# Altium PCB base-32-bit_v1.PcbDoc (part 1 of 3) (continued)
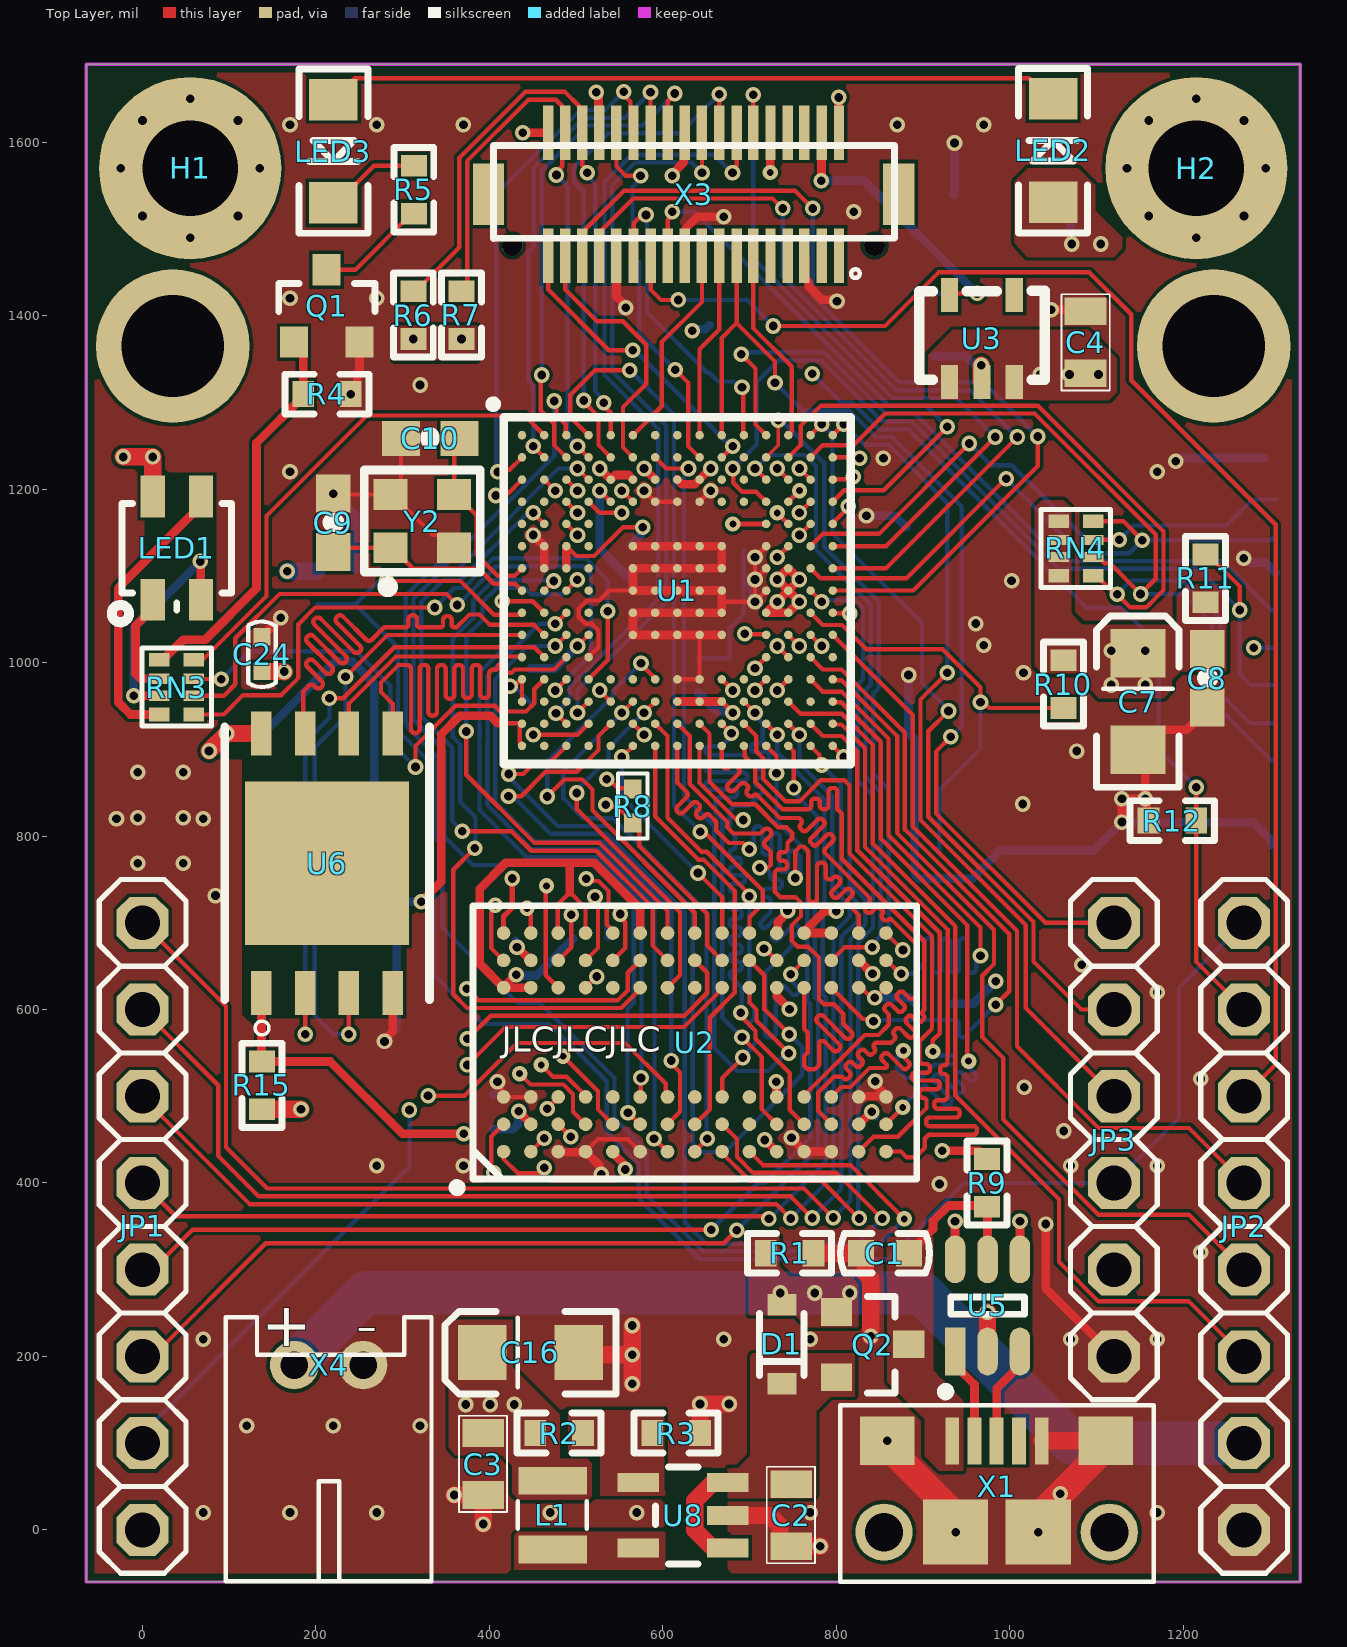
[diagram p0: Top Layer view]
## Components (designator, comment, footprint, x,y, rotation, side; value= is the part's Value field where it differs from the comment)
C1 "0.1UF" C0603 828.52,319 r0 top locked
C2 "22uF" 0805 747.76,16.69 r90 top locked
C3 "22uF" 0805 392.76,75.69 r90 top locked
C4 "1uF" 0805 1087.23,1369.64 r270 top locked
C5 "1uF" 0805 912.26,1388.69 r90 bottom locked
C6 "47uF" EIA3216 990.76,1538.69 r0 bottom locked
C7 "47uF" EIA3216 1147.76,954.69 r90 top locked
C8 "0.1uF" 0603-CAP 1227.76,982.23 r270 top locked
C9 "12pF" 0603-CAP 219.87,1161.39 r270 top locked
C10 "12pF" 0603-CAP 331.46,1258.49 r0 top locked
C11 "2.2uF" C0402 713.23,1128.64 r180 bottom locked
C12 "2.2uF" C0402 676.23,985.64 r90 bottom locked
C13 "1uF" C0402 294.21,704.38 r270 bottom locked
C14 "0.1uF" C0402 252.21,704.38 r270 bottom locked
C15 "1uF" C0402 244.37,1086.89 r90 bottom locked
C16 "47uF" EIA3216 447.73,204.64 r180 top locked
C17 "0.1uF" C0402 579.23,1211.64 r270 bottom locked
C18 "0.1uF" C0402 528.23,1211.64 r270 bottom locked
C19 "0.1uF" C0402 639.73,985.14 r90 bottom locked
C20 "0.1uF" C0402 713.23,1091.64 r180 bottom locked
C21 "0.1uF" C0402 713.23,1055.14 r180 bottom locked
C22 "0.1uF" C0402 448.73,973.14 r270 bottom locked
C23 "0.1uF" C0402 655.73,1209.14 r270 bottom locked
C24 "0.1uF" C0402 138.76,1009.69 r90 top locked
C25 "0.1uF" C0402 563.73,1115.64 r270 bottom
C26 "0.1uF" C0402 403.73,482.14 r90 bottom locked
C27 "0.1uF" C0402 912.23,607.64 r0 bottom locked
C28 "0.1uF" C0402 843.73,497.14 r90 bottom
C29 "0.1uF" C0402 516.73,682.64 r0 bottom locked
C30 "0.1uF" C0402 429.23,659.14 r90 bottom
D1 "BAT60BE6327" SOD-323 737.26,213.69 r90 top locked
H1 "MOUNT-PAD-ROUND2.8" 2,8-PAD 55,1570 r90 top locked
H2 "MOUNT-PAD-ROUND2.8" 2,8-PAD 1215,1570 r270 top locked
JP1 "PINHD-1X8" 1X08 0,350 r270 top locked
JP2 "PINHD-1X8" 1X08 1270,350 r270 top locked
JP3 "PINHD-1X6" 1X06 1120,450 r270 top locked
L1 "4.7uH/1.4A" 1007 472.76,17.32 r180 top locked
L2 "MPZ1608S181ATAH0" 0603 282.21,805.88 r90 bottom locked
LED1 "LED-TRICOLOR" LED-TRICOLOR-SMD 39.5,1131.5 r180 top locked
LED2 "VSMY12850" LED-1206 1050,1590 r90 top locked
LED3 "VSMY12850" LED-1206 220,1590 r270 top locked
Q1 "BSS138" SOT23-3 212.16,1408.86 r0 top locked
Q2 "Si2301BDS" SOT23-3 839.52,214 r270 top locked
R1 "10K" R0603 773.52,319 r180 top locked
R2 "453K" R0603 507.76,111.69 r180 top locked
R3 "100K" R0603 642.76,111.69 r180 top locked
R4 "10K" R0603 240.16,1309.49 r180 top locked
R5 "10R" R0603 312.76,1517.69 r90 top locked
R6 "4.7K" R0603 312.23,1373.14 r90 top locked
R7 "4.7K" R0603 367.73,1373.14 r90 top locked
R8 "10K" R0402 565.23,854.14 r270 top locked
R9 "560R" R0603 973.73,427.64 r270 top locked
R10 "10K" R0603 1061.76,1002.69 r270 top locked
R11 "10K" R0603 1225.76,1069.69 r90 top locked
R12 "10K" R0603 1159.76,817.69 r0 top locked
R13 "10K" R0402 201.23,1067.14 r90 bottom locked
R14 "10K" R0603 653.73,1334.14 r90 bottom locked
R15 "10K" R0603 137.73,540.14 r270 top locked
RN3 "220R" RCA-8P4R-0402 39.23,971.64 r90 top locked
RN4 "220R" RCA-8P4R-0402 1076.23,1131.64 r270 top locked
U1 "STM32H743IIK6" UFBGA-201_L10.0-W10.0-P0.65-TL_STM32H743IIK6 605.79,1083.93 r0 top locked
U2 "IS42S32800" BGA-90-8000X13000DE 416.3,436.22 r90 top locked
U3 "ME6211C33M5G-N" SOT-23-5 930.46,1323.69 r0 top locked
U5 "USBLC6-2SC6" SOT-23-6 936.86,205.69 r0 top locked
U6 "W25Q256JV" WSON-8_L8.0-W6.10-P1.27-BL-EP 212.76,768.68 r0 top locked
U8 "PAM2305AABADJ" TSOT25 674.76,-20.71 r90 top locked
X1 "MF-CON-MICROUSB-RIGHT" MICROUSB-RIGHT 984.74,52.69 r0 top locked
X2 "USD-1040310811" 1040310811 1316.58,1245.61 r270 bottom
X3 "DF12-36-DS" DF12-36-DS 635,1540 r0 top locked
X4 "S2B-PH-K-S(LF)(SN)" JST-PH-2-THM-RA 215,190 r180 top locked
Y2 "12M" OSC-SMD_4P-L2.5-W2.0-BL 322.63,1163.08 r0 top locked

## Footprints (in the part's own frame and the unit in brackets; to place one, negate y for a bottom-side part, rotate by r counter-clockwise, add the part's x,y. Pads: shape width x height; smd on the part's side, far side on the other; paste and mask are expansions set on the pad)
1X06 [mil] "1X06"
  oct 60x60 hole 40: 1(-250,0) 2(-150,0) 3(-50,0) 4(50,0) 5(150,0) 6(250,0)
  silkscreen extent -300,-50 300,50
1X08 [mil] "1X08"
  oct 60x60 hole 40: 1(-350,0) 2(-250,0) 3(-150,0) 4(-50,0) 5(50,0) 6(150,0) 7(250,0) 8(350,0)
  silkscreen extent -400,-50 400,50
2,8-PAD [mil] "2,8-PAD"
  round 210 / inner round 60 / far side round 210 hole 110.24: B2,8(0,0)
0603 [mil] "0603"
  rect 40x40 smd: 1(-31.5,0) 2(32,0)
  silkscreen extent -59,-28 60,28, body extent -31,-17 32,16, height 32
0603-CAP [mil] "0603-CAP"
  rect 44x40 smd: 1(-33.46,0) 2(34,0)
  silkscreen extent 0,-1 0,2, body extent -31,-17 32,16, height 32
0805 [mil] "0805"
  rect 32x48 smd: 1(-35.43,0) 2(36,0)
  silkscreen extent -55,-28 56,28, body extent -39,-24 39,24, height 20
1007 [mil] "1007"
  rect 79x32 smd: 1(0,40) 2(0,-39.37)
  silkscreen extent -39,-16 40,16, body extent -36,-50 35,48, height 70
1040310811 [mm]
  rect 1.2x1 smd: CD$1(11.74,10.1) CD$2(11.74,6.4)
  rect 1.55x1.35 smd: G$1(11.565,0.375)
  rect 1.17x1.8 smd: G$2(0.245,0.6)
  rect 1.9x1.35 smd: G$3(2.27,11.075) G$4(8.24,11.075)
  rect 0.85x1.1 smd: P$1(9.105,0.25) P$2(8.005,0.25) P$3(6.905,0.25) P$4(5.805,0.25) P$5(4.705,0.25) P$6(3.605,0.25) P$7(2.505,0.25)
  rect 0.75x1.1 smd: P$8(1.455,0.25)
  silkscreen extent 0,0 12,11.4, body extent 0.01,0.21 11.96,11.61, height 1.48
BGA-90-8000X13000DE [mil]
  round 15.75 smd: A1(0,0) A2(31.5,0) A3(62.99,0) A7(188.98,0) A8(220.47,0) A9(251.97,0) B1(0,-31.5) B2(31.5,-31.5) B3(62.99,-31.5) B7(188.98,-31.5) B8(220.47,-31.5) B9(251.97,-31.5) C1(0,-62.99) C2(31.5,-62.99) C3(62.99,-62.99) C7(188.98,-62.99) C8(220.47,-62.99) C9(251.97,-62.99) D1(0,-94.49) D2(31.5,-94.49) D3(62.99,-94.49) D7(188.98,-94.49) D8(220.47,-94.49) D9(251.97,-94.49) E1(0,-125.98) E2(31.5,-125.98) E3(62.99,-125.98) E7(188.98,-125.98) E8(220.47,-125.98) E9(251.97,-125.98) F1(0,-157.48) F2(31.5,-157.48) F3(62.99,-157.48) F7(188.98,-157.48) F8(220.47,-157.48) F9(251.97,-157.48) G1(0,-188.98) G2(31.5,-188.98) G3(62.99,-188.98) G7(188.98,-188.98) G8(220.47,-188.98) G9(251.97,-188.98) H1(0,-220.47) H2(31.5,-220.47) H3(62.99,-220.47) H7(188.98,-220.47) H8(220.47,-220.47) H9(251.97,-220.47) J1(0,-251.97) J2(31.5,-251.97) J3(62.99,-251.97) J7(188.98,-251.97) J8(220.47,-251.97) J9(251.97,-251.97) K1(0,-283.46) K2(31.5,-283.46) K3(62.99,-283.46) K7(188.98,-283.46) K8(220.47,-283.46) K9(251.97,-283.46) L1(0,-314.96) L2(31.5,-314.96) L3(62.99,-314.96) L7(188.98,-314.96) L8(220.47,-314.96) L9(251.97,-314.96) M1(0,-346.46) M2(31.5,-346.46) M3(62.99,-346.46) M7(188.98,-346.46) M8(220.47,-346.46) M9(251.97,-346.46) N1(0,-377.95) N2(31.5,-377.95) N3(62.99,-377.95) N7(188.98,-377.95) N8(220.47,-377.95) N9(251.97,-377.95) P1(0,-409.45) P2(31.5,-409.45) P3(62.99,-409.45) P7(188.98,-409.45) P8(220.47,-409.45) P9(251.97,-409.45) R1(0,-440.94) R2(31.5,-440.94) R3(62.99,-440.94) R7(188.98,-440.94) R8(220.47,-440.94) R9(251.97,-440.94)
  silkscreen extent -46,-476 283,58, body extent -31,-476 284,36, height 43
C0402 [mil]
  rect 20x20 smd: 1(-20,1) 2(20,1)
  silkscreen extent -38,-15 38,17, body extent -20,-9 20,11, height 21
C0603 [mil]
  rect 29.92x30 smd: 1(0,0) 2(55,0)
  silkscreen extent -24,-23 79,23, body extent -3,-16 60,16, height 32
DF12-36-DS [mil] "DF12-36-DS"
  round 24 hole 24: 1(-208.66,-59.06) 1(209,-59.06)
  rect 12x63 smd: 1(168,-70.87) 2(168,71) 3(148,-70.87) 4(148,71) 5(128,-70.87) 6(128,71) 7(109,-70.87) 8(109,71) 9(89,-70.87) 10(89,71) 11(69,-70.87) 12(69,71) 13(50,-70.87) 14(50,71) 15(30,-70.87) 16(30,71) 17(10,-70.87) 18(10,71) 19(-9.84,-70.87) 20(-9.84,71) 21(-29.53,-70.87) 22(-29.53,71) 23(-49.21,-70.87) 24(-49.21,71) 25(-68.9,-70.87) 26(-68.9,71) 27(-88.58,-70.87) 28(-88.58,71) 29(-108.27,-70.87) 30(-108.27,71) 31(-127.95,-70.87) 32(-127.95,71) 33(-147.64,-70.87) 34(-147.64,71) 35(-167.32,-70.87) 36(-167.32,71)
  rect 36x71 smd: F1(237,0) F2(-236.22,0)
  silkscreen extent -230,-96 232,56, body extent -238,-91 238,90, height 106
EIA3216 [mil] "EIA3216"
  rect 56x63 smd: A(56,0) C(-55.12,0)
  silkscreen extent -98,-47 99,48, body extent -68,-36 66,35, height 71
JST-PH-2-THM-RA [mil] "JST-PH-2-THM-RA"
  round 56 hole 32: 1(40,0) 2(-39.37,0)
  silkscreen extent -118,-55 119,249, body extent -116,-46 116,253, height 193
LED-1206 [mil] "LED-1206"
  rect 48x56 smd: A(-59.06,0) C(60,0)
  silkscreen extent -94,-39 95,40, body extent -62,-32 64,32, height 40
LED-TRICOLOR-SMD [mil] "LED-TRICOLOR-SMD"
  rect 28x48 smd: A(27.56,-60) B(-28,-60) G(-28,59.06) R(27.56,59.06)
  silkscreen extent -63,-52 75,85, body extent -55,-70 55,67, height 75
MICROUSB-RIGHT [mil] "MICROUSB-RIGHT"
  rect 16x54 smd: 1(-51.18,50) 2(-25.59,50) 3(0,50) 4(26,50) 5(52,50)
  rect 63x56 smd: S(-125.98,50) S(126,50)
  rect 75x75 smd: S(-47.24,-55.31) S(48,-55.31)
  round 66 hole 44: S1(-129.92,-55.31) S2(130,-55.31)
  silkscreen extent -180,-112 181,91, body extent -159,-157 159,62, height 107
OSC-SMD_4P-L2.5-W2.0-BL [mm]
  rect 1x0.9 smd: 1(-0.93,-0.78) 2(0.93,-0.78) 3(0.93,0.78) 4(-0.93,0.78)
  silkscreen extent -1.7,-2.08 1.7,1.5, body extent -1.22,-1.03 1.28,0.97, height 0.55
R0402 [mil]
  rect 22x20 smd: 1(0,0) 2(39,0)
  silkscreen extent -18,-17 57,17, body extent 0,-10 40,10, height 12
R0603 [mil]
  rect 25x30 smd: 1(0,0) 2(55,0)
  silkscreen extent -21,-23 76,23, body extent -3,-16 60,16, height 16
RCA-8P4R-0402 [mm] "2mm*1mm*0.45mm(长*宽*厚)"
  rect 0.4x0.6 smd: 1(-0.8,-0.5) 4(0.8,-0.5) 5(0.8,0.5) 8(-0.8,0.5)
  rect 0.3x0.6 smd: 2(-0.25,-0.5) 3(0.25,-0.5) 6(0.25,0.5) 7(-0.25,0.5)
  silkscreen extent -1.14,-1.02 1.15,1.01, body extent -1,-0.5 1,0.5, height 0.45
SOD-323 [mil] "SOD-323"
  rect 25x33 smd: 1(-45.28,0) 2(46,0)
  silkscreen extent -35,-26 36,26, body extent -53,-26 53,27, height 31
SOT23-3 [mil] "SOT23-3"
  rect 32x36 smd: 1(-37.4,-39.37) 2(38,-39.37) 3(0,44)
  silkscreen extent -55,-4 56,28, body extent -57,-48 58,50, height 40
SOT-23-5 [mm]
  rect 0.508x1 smd: 1(0,0) 2(0.95,0) 3(1.9,0) 4(1.9,2.54) 5(0,2.54)
  silkscreen extent -0.89,0.06 2.79,2.67, body extent -0.5,-0.12 2.4,2.68, height 1.45
SOT-23-6 [mm]
  rect 0.6x1.4 smd: 1(0,0)
  oval 0.6x1.4 smd: 2(0.95,0) 3(1.9,0) 4(1.9,2.7) 5(0.95,2.7) 6(0,2.7)
  silkscreen extent -0.4,-1.3 2.03,1.6, body extent -0.46,0.14 2.34,2.57, height 1.07
TSOT25 [mil] "TSOT25"
  rect 22x48 smd: 1(0,0) 2(37.4,0) 3(75.4,0) 4(75.4,103.18) 5(0,103.18)
  silkscreen extent -19,34 93,83, body extent -20,1 94,111, height 37
UFBGA-201_L10.0-W10.0-P0.65-TL_STM32H743IIK6 [mm]
  round 0.25 smd: A1(-4.274,4.528) A2(-3.624,4.528) A3(-2.974,4.528) A4(-2.324,4.528) A5(-1.674,4.528) A6(-1.024,4.528) A7(-0.374,4.528) A8(0.276,4.528) A9(0.926,4.528) A10(1.576,4.528) A11(2.226,4.528) A12(2.876,4.528) A13(3.526,4.528) A14(4.176,4.528) A15(4.826,4.528) B1(-4.274,3.878) B2(-3.624,3.878) B3(-2.974,3.878) B4(-2.324,3.878) B5(-1.674,3.878) B6(-1.024,3.878) B7(-0.374,3.878) B8(0.276,3.878) B9(0.926,3.878) B10(1.576,3.878) B11(2.226,3.878) B12(2.876,3.878) B13(3.526,3.878) B14(4.176,3.878) B15(4.826,3.878) C1(-4.274,3.228) C2(-3.624,3.228) C3(-2.974,3.228) C4(-2.324,3.228) C5(-1.674,3.228) C6(-1.024,3.228) C7(-0.374,3.228) C8(0.276,3.228) C9(0.926,3.228) C10(1.576,3.228) C11(2.226,3.228) C12(2.876,3.228) C13(3.526,3.228) C14(4.176,3.228) C15(4.826,3.228) D1(-4.274,2.578) D2(-3.624,2.578) D3(-2.974,2.578) D4(-2.324,2.578) D5(-1.674,2.578) D6(-1.024,2.578) D7(-0.374,2.578) D8(0.276,2.578) D9(0.926,2.578) D10(1.576,2.578) D11(2.226,2.578) D12(2.876,2.578) D13(3.526,2.578) D14(4.176,2.578) D15(4.826,2.578) E1(-4.274,1.928) E2(-3.624,1.928) E3(-2.974,1.928) E4(-2.324,1.928) E12(2.876,1.928) E13(3.526,1.928) E14(4.176,1.928) E15(4.826,1.928) F1(-4.274,1.278) F2(-3.624,1.278) F3(-2.974,1.278) F4(-2.324,1.278) F6(-1.024,1.278) F7(-0.374,1.278) F8(0.276,1.278) F9(0.926,1.278) F10(1.576,1.278) F12(2.876,1.278) F13(3.526,1.278) F14(4.176,1.278) F15(4.826,1.278) G1(-4.274,0.628) G2(-3.624,0.628) G3(-2.974,0.628) G4(-2.324,0.628) G6(-1.024,0.628) G7(-0.374,0.628) G8(0.276,0.628) G9(0.926,0.628) G10(1.576,0.628) G12(2.876,0.628) G13(3.526,0.628) G14(4.176,0.628) G15(4.826,0.628) H1(-4.274,-0.022) H2(-3.624,-0.022) H3(-2.974,-0.022) H4(-2.324,-0.022) H6(-1.024,-0.022) H7(-0.374,-0.022) H8(0.276,-0.022) H9(0.926,-0.022) H10(1.576,-0.022) H12(2.876,-0.022) H13(3.526,-0.022) H14(4.176,-0.022) H15(4.826,-0.022) J1(-4.274,-0.672) J2(-3.624,-0.672) J3(-2.974,-0.672) J4(-2.324,-0.672) J6(-1.024,-0.672) J7(-0.374,-0.672) J8(0.276,-0.672) J9(0.926,-0.672) J10(1.576,-0.672) J12(2.876,-0.672) J13(3.526,-0.672) J14(4.176,-0.672) J15(4.826,-0.672) K1(-4.274,-1.322) K2(-3.624,-1.322) K3(-2.974,-1.322) K4(-2.324,-1.322) K6(-1.024,-1.322) K7(-0.374,-1.322) K8(0.276,-1.322) K9(0.926,-1.322) K10(1.576,-1.322) K12(2.876,-1.322) K13(3.526,-1.322) K14(4.176,-1.322) K15(4.826,-1.322) L1(-4.274,-1.972) L2(-3.624,-1.972) L3(-2.974,-1.972) L4(-2.324,-1.972) L12(2.876,-1.972) L13(3.526,-1.972) L14(4.176,-1.972) L15(4.826,-1.972) M1(-4.274,-2.622) M2(-3.624,-2.622) M3(-2.974,-2.622) M4(-2.324,-2.622) M5(-1.674,-2.622) M6(-1.024,-2.622) M7(-0.374,-2.622) M8(0.276,-2.622) M9(0.926,-2.622) M10(1.576,-2.622) M11(2.226,-2.622) M12(2.876,-2.622) M13(3.526,-2.622) M14(4.176,-2.622) M15(4.826,-2.622) N1(-4.274,-3.272) N2(-3.624,-3.272) N3(-2.974,-3.272) N4(-2.324,-3.272) N5(-1.674,-3.272) N6(-1.024,-3.272) N7(-0.374,-3.272) N8(0.276,-3.272) N9(0.926,-3.272) N10(1.576,-3.272) N11(2.226,-3.272) N12(2.876,-3.272) N13(3.526,-3.272) N14(4.176,-3.272) N15(4.826,-3.272) P1(-4.274,-3.922) P2(-3.624,-3.922) P3(-2.974,-3.922) P4(-2.324,-3.922) P5(-1.674,-3.922) P6(-1.024,-3.922) P7(-0.374,-3.922) P8(0.276,-3.922) P9(0.926,-3.922) P10(1.576,-3.922) P11(2.226,-3.922) P12(2.876,-3.922) P13(3.526,-3.922) P14(4.176,-3.922) P15(4.826,-3.922) R1(-4.274,-4.572) R2(-3.624,-4.572) R3(-2.974,-4.572) R4(-2.324,-4.572) R5(-1.674,-4.572) R6(-1.024,-4.572) R7(-0.374,-4.572) R8(0.276,-4.572) R9(0.926,-4.572) R10(1.576,-4.572) R11(2.226,-4.572) R12(2.876,-4.572) R13(3.526,-4.572) R14(4.176,-4.572) R15(4.826,-4.572)
  silkscreen extent -5.22,-5.1 5.36,5.54, body extent -4.75,-5 5.25,5, height 0.67
WSON-8_L8.0-W6.10-P1.27-BL-EP [mm]
  rect 4.8x4.8 smd: 0(0,0)
  rect 0.6x1.3 smd: 1(-1.92,-3.8) 2(-0.64,-3.8) 3(0.64,-3.8) 4(1.92,-3.8) 5(1.92,3.8) 6(0.64,3.8) 7(-0.64,3.8) 8(-1.92,3.8)
  silkscreen extent -3,-5.03 3,4, body extent -3,-3.99 3,4.01, height 0.81

## Part data
C1 C2 C3 C4 C5: library part CAP0805, "CapacitorStandard 0603 ceramic capacitor, and 0.1\" leaded capacitor."
C6 C7 C16: library part CAP_POL1206, "Capacitor PolarizedThese are standard SMD and PTH capacitors. Normally 10uF, 47uF, and 100uF in electrolytic and tantalum varieties. Always verify the external diameter of the through hole cap, it varies with capacity, voltage, and manufacturer. The EIA devices should be standard."
C8 C9 C10 C11 C12: library part CAP0603-CAP, "CapacitorStandard 0603 ceramic capacitor, and 0.1\" leaded capacitor."
C13 C14 C15 C17 C18 C19 C20 C21 C22 C23 C24 C25 C26 C27 C28 C29 C30: library part CAP0402-CAP, "CapacitorStandard 0603 ceramic capacitor, and 0.1\" leaded capacitor."
D1: library part DIODESOD, "DiodeThese are standard reverse protection diodes and small signal diodes. SMA package can handle up to about 1A. SOD-323 can handle about 200mA. What the SOD-323 package when ordering, there are some mfgs out there that are 5-pin packages."
H1 H2: "MOUNTING PAD, round"
JP1 JP2 JP3: "PIN HEADER"
L1: library part INDUCTOR1007, "InductorsBasic Inductor/Choke - 0603 and 1206. Footprints are not proven and vary greatly between part numbers."
L2: library part INDUCTOR0603, "InductorsBasic Inductor/Choke - 0603 and 1206. Footprints are not proven and vary greatly between part numbers."
LED1: "Tri-Color LED SMDProven layout and schematic for triple color LED in SMD package - common anode. Spark Fun Electronics SKU : COM-07844"
LED2 LED3: library part LED1206, "LEDsStandard schematic elements and footprints for 5mm, 3mm, 1206, and 0603 sized LEDs. 5mm - Spark Fun Electronics SKU : COM-00529 (and others)"
Q1: library part MOSFET-NCHANNELSMD
Q2: library part MOSFET-PCHANNELSMD
R1 R2 R3 R4 R5 R6 R7 R9 R10 R11 R12 R13 R14: library part RESISTOR0603-RES, "ResistorBasic schematic elements and footprints for 0603, 1206, and PTH resistors."
R8 R15: library part RESISTOR0402-RES, "ResistorBasic schematic elements and footprints for 0603, 1206, and PTH resistors."
RN3 RN4: library part 排阻_4P
U1: BOM_Manufacturer=STMicroelectronics, BOM_Manufacturer Part=STM32H743IIK6, BOM_Supplier=LCSC, BOM_Supplier Part=C129442, Contributor=LCSC, spicePre=U, spiceSymbolName=STM32H743IIK6, subpart_no=2
U3: BOM_LCSC Assembly=Yes, BOM_Manufacturer=MICRONE, BOM_Manufacturer Part=ME6211C33M5G-N, BOM_Supplier=LCSC, BOM_Supplier Part=C82942, image=//image.lceda.cn/szlcsc/C82942.jpg, SMT Type=Extend, spicePre=L, spiceSymbolName=ME6211C33M5G-N
U5: BOM_LCSC Assembly=Yes, BOM_Manufacturer=STMicroelectronics, BOM_Manufacturer Part=USBLC6-2SC6, BOM_Supplier=LCSC, BOM_Supplier Part=C7519, image=//image.lceda.cn/szlcsc/C7519.jpg, SMT Type=Extend, spicePre=D, spiceSymbolName=USBLC6-2SC6
U6: library part W25Q128JVSQ
U8: library part PAM2305AAB330
X1: library part USB_MICRO_RIGHT, "Library:  MF_Connectors Description: 5 Pin USB Connectors. SLD is the shield connection. Usually tied to ground through a small ferrite bead."
X4: library part JST_2PIN-THM-RA, "JST 2-Pin Connectors of various flavors SMT-RA (S2B-PH-SM4) 4UConnector #17311  SMT  (B2B-PH-SM4)  THM-RA (S2B-PH)  THM  (B2B-PH)"
Y2: library part XTAL-NV-4

## Free pads (board coordinates)
  round 177.17 / inner round 60 / far side round 177.17 hole 118.11: P$1(35,1365) P$1(1235,1365)

## Via types
v1: diameter 18, hole 10, Top Layer to Bottom Layer, tented both sides, 295 vias
v2: diameter 18, hole 10, Top Layer to Bottom Layer, 36 vias
v3: diameter 18/18/18/18 (per signal layer), hole 10, Top Layer to Bottom Layer, tented both sides, 16 vias
v4: diameter 17.72, hole 8, Top Layer to Bottom Layer, tented both sides, 14 vias

## Nets (pads, with @x,y where several pads share a name; then routed paths per layer and width w, separated by ;. In a path a pad name is that pad's centre, name@x,y a point inside that pad or via, vN(x,y) a via of type N, cw(c..) or ccw(c..) an arc to the next point about the centre after c; other vN are vias at no path point)
BOOT0: JP2.2 R12.2 U1.D6 | length 1300.5
  Top Layer w5: v1(552.68,1198.23) U1.D6@565.47,1185.43 ; v1(1214.76,856.17) R12.2@1214.76,817.69 1214.76,655.24 JP2.2@1270,600
  PWR w5: v1(552.68,1198.23) 552.68,1220.15 670.67,1338.14 763.71,1338.14 768.71,1333.14 v1(772.23,1333.14)
  Bottom Layer w5: v1(772.23,1333.14) 805.87,1299.5 818.73,1299.5 849.09,1269.14 882.98,1269.14 1088.98,1063.14 1128.65,1063.14 1171.73,1020.06 1171.73,899.2 v1(1214.76,856.17)
DAC: JP1.7 U1.P4 | length 1072.5
  Top Layer w5: v1(450.32,916.73) 501.5,916.73 U1.P4@514.29,929.52
  PWR w5: v1(307.73,484.14) 307.73,583.23 360,635.5 360,732.29 437.69,809.98 437.69,904.1 v1(450.32,916.73)
  Bottom Layer w5: JP1.7@0,100 0,111.46 307.73,419.19 v1(307.73,484.14)
DCMI_CLK: U1.F15 X3.12 | length 836.4
  Top Layer w5: X3.12@704,1611 704.11,1611.11 704.11,1654.52 v1(704.23,1654.64) ; U1.F15@795.79,1134.25 857.34,1134.25 v1(983.23,1260.14)
  Bottom Layer w5: v1(704.23,1654.64) 704.23,1465.76 864.85,1305.14 938.23,1305.14 v1(983.23,1260.14)
DCMI_D0: U1.H15 X3.31 | length 1078.5
  Top Layer w5: X3.31@507.05,1469.13 507.05,1494.63 510.5,1498.08 510.5,1499.59 555.05,1544.14 752.23,1544.14 v1(772.73,1523.64) ; U1.H15@795.79,1083.07 888.58,1083.07 1032.23,1226.72 v1(1032.23,1260.64)
  Bottom Layer w5: v1(772.73,1523.64) 772.73,1422.72 872.31,1323.14 969.73,1323.14 v1(1032.23,1260.64)
DCMI_D1: U1.G15 X3.29 | length 961.1
  Top Layer w5: X3.29@526.73,1469.13 526.73,1496.14 565.73,1535.14 726.39,1535.14 737.89,1523.64 v1(738.23,1523.64) ; U1.G15@795.79,1108.66 857.25,1108.66 v1(1008.73,1260.14)
  Bottom Layer w5: v1(738.23,1523.64) 738.23,1444.49 868.58,1314.14 953.92,1314.14 1007.92,1260.14 v1(1008.73,1260.14)
DCMI_D2: U1.B10 X3.35 | length 344.9
  Top Layer w5: X3.35@467.68,1469.13 467.68,1430.13 537.67,1360.14 v1(565.23,1360.14) ; U1.B10@667.84,1236.61 v1(680.64,1249.41)
  Bottom Layer w5: v1(565.23,1360.14) 567.57,1360.14 678.3,1249.41 v1(680.64,1249.41)
DCMI_D3: U1.B9 X3.28 | length 431.7
  Top Layer w5: X3.28@546.42,1611 546.42,1572 557.28,1561.14 v1(574.23,1561.14) ; v1(614.23,1337.64) 629.02,1322.84 629.02,1249.85 U1.B9@642.25,1236.61
  Bottom Layer w5: v1(574.23,1561.14) 574.23,1557.62 564.99,1548.38 564.99,1469.39 572.73,1461.65 572.73,1379.14 v1(614.23,1337.64)
DCMI_D4: U1.B1 X3.26 | length 603.6
  Top Layer w5: v1(409.53,1219.83) 412.02,1222.32 423.23,1222.32 U1.B1@437.52,1236.61 ; v1(554.73,1658.14) 554.73,1654.62 562.6,1646.75 562.6,1614.5 X3.26@566.1,1611
  Bottom Layer w5: v1(409.53,1219.83) 407.84,1221.53 407.84,1540.12 504.95,1637.24 533.83,1637.24 v1(554.73,1658.14)
DCMI_D5: U1.B6 X3.33 | length 304.4
  Top Layer w5: X3.33@487.36,1469.13 487.36,1430.13 523.85,1393.64 553.65,1393.64 580.73,1366.56 580.73,1321.29 554.05,1294.62 554.05,1248.04 U1.B6@565.48,1236.61
DCMI_D6: U1.B2 X3.24 | length 561.6
  Top Layer w5: v1(450.32,1249.41) U1.B2@463.12,1236.61 ; X3.24@585.79,1611 v1@585.76,1657.61
  Bottom Layer w5: v1(450.32,1249.41) 450.32,1319.63 444.73,1325.22 444.73,1473.17 451.23,1479.67 451.23,1570.79 508.68,1628.24 556.33,1628.24 v1(585.73,1657.64)
DCMI_D7: U1.B3 X3.22 | length 582
  Top Layer w5: v1(460.23,1331.64) 459.23,1330.64 459.23,1290.58 474.53,1275.27 474.53,1250.79 U1.B3@488.71,1236.61 ; X3.22@605.47,1611 605.47,1647.2 613.73,1655.46 v1(613.73,1656.14)
  Bottom Layer w5: v1(460.23,1331.64) 460.23,1567.06 512.41,1619.24 576.83,1619.24 v1(613.73,1656.14)
DCMI_FSIN: JP2.3 X3.23 | length 1641.8
  Top Layer w5: X3.23@585.79,1469.13 585.79,1430.13 597.78,1418.14 v1(617.73,1418.14) ; v1(727.23,1388.14) 856.03,1388.14 917.76,1449.88 1091.62,1449.88 1139.91,1401.58 1139.91,1325.61 1306.5,1159.03 1306.5,536.5 JP2.3@1270,500
  Bottom Layer w5: v1(617.73,1418.14) 697.23,1418.14 v1(727.23,1388.14)
DCMI_HSYNC: U1.N4 X3.18 | length 859.4
  Top Layer w5: v1(501.5,942.32) U1.N4@514.29,955.11 ; v1(645,1564.91) X3.18@645,1611
  Bottom Layer w5: v1(501.5,942.32) 501.5,968.04 603.73,1070.27 603.73,1273.22 541.73,1335.22 541.73,1550.56 567.81,1576.64 633.27,1576.64 v1(645,1564.91)
DCMI_PCLK: U1.P3 X3.14 | length 921.8
  Top Layer w5: v1(476.73,941.64) v1(476.73,941.64) 488.7,929.6 U1.P3@488.7,929.52 ; v1(680.23,1564.64) 680.23,1568.16 685,1572.93 X3.14@685,1611
  Bottom Layer w5: v1(476.73,941.64) 492.5,957.41 492.5,971.77 594.73,1074 594.73,1269.49 532.73,1331.49 532.73,1554.29 564.08,1585.64 659.23,1585.64 v1(680.23,1564.64)
DCMI_PWDN: R14.1 U1.A11 X3.25 | length 370.3
  Top Layer w5: X3.25@566.1,1469.13 566.23,1469.26 566.23,1506.64 573.25,1513.66 578,1513.66 v1(580.49,1516.15) ; v1(691.23,1317.64) 692.51,1316.36 692.51,1263.13 U1.A11@693.43,1262.2
  Bottom Layer w5: v1(580.49,1516.15) 581.73,1514.91 581.73,1403.64 651.23,1334.14 R14.1@653.73,1334.14 663.73,1324.14 681.21,1324.14 687.71,1317.64 v1(691.23,1317.64)
DCMI_RST: U1.D15 X3.21 | length 640.1
  Top Layer w5: X3.21@605.47,1469.13 605.47,1510.86 610.73,1516.12 v1(610.73,1519.64) ; U1.D15@795.79,1185.43 809,1198.64 854.6,1198.64 v1(927.73,1271.76)
  Bottom Layer w5: v1(610.73,1519.64) 636.78,1519.64 859.78,1296.64 860.62,1296.64 861.12,1296.14 903.35,1296.14 v1(927.73,1271.76)
DCMI_VSYNC: U1.B5 X3.16 | length 599.2
  Top Layer w5: v1(508.73,1302.14) 508.73,1300.72 525.71,1283.73 525.71,1250.79 U1.B5@539.89,1236.61 ; X3.16@665,1611 v1(665,1655.41)
  Bottom Layer w5: v1(508.73,1302.14) 508.73,1543.37 497.23,1554.87 497.23,1571.06 536.41,1610.24 619.83,1610.24 v1(665,1655.41)
DRAM_A0: U1.E2 U2.G8 | length 797.8
  Top Layer w5: v1(368.48,805.39) 425.83,805.39 448.08,783.14 523.17,783.14 588.16,718.16 588.16,673.82 U2.G8@605.28,656.69 ; v1(450.32,1172.63) U1.E2@463.11,1159.84
  Bottom Layer w5: v1(368.48,805.39) 368.48,806.22 357.23,817.47 357.23,901.99 321.5,937.72 321.5,1069.92 346.58,1095 366.26,1095 441.4,1170.15 447.83,1170.15 v1(450.32,1172.63)
DRAM_A1: U1.H3 U2.G9 | length 673.4
  Top Layer w5: v1(373.23,920.64) 373.23,870.72 451.81,792.14 526.9,792.14 605.28,713.76 U2.G9@605.28,688.19 ; U1.H3@488.7,1083.07 v1(501.23,1095.64)
  Bottom Layer w5: v1(373.23,920.64) 373.23,1030.49 392.01,1049.27 392.01,1069.84 408.31,1086.14 440.76,1086.14 448.26,1078.64 484.23,1078.64 v1(501.23,1095.64)
DRAM_A2: U1.H2 U2.F7 | length 836.9
  Top Layer w5: v1(383.23,786.14) 358.23,761.14 358.23,617.72 374.12,601.82 551.96,601.82 573.78,623.64 U2.F7@573.78,625.2 ; U1.H2@463.11,1083.07 v1(474.23,1094.14)
  Bottom Layer w5: v1(383.23,786.14) 383.98,786.89 383.98,821.78 366.23,839.53 366.23,905.72 357.73,914.22 357.73,1027.72 381.15,1051.14 381.15,1071.71 404.58,1095.14 473.23,1095.14 v1(474.23,1094.14)
DRAM_A3: U1.J2 U2.F3 | length 761.6
  Top Layer w5: v1(414.73,1070.64) 449.96,1070.64 U1.J2@463.11,1057.48 ; U2.F3@573.78,499.21 574.25,499.68 574.25,520.66 v1(574.73,521.14)
  Bottom Layer w5: v1(414.73,1070.64) 414.73,1014.79 388.5,988.56 388.5,927.29 388.73,927.06 388.73,914.22 388.5,913.99 388.5,829.99 442.85,775.64 523.6,775.64 575.23,724.01 575.23,521.64 v1(574.73,521.14)
DRAM_A4: U1.J3 U2.G1 | length 803
  Top Layer w5: v1(475.91,1044.69) U1.J3@488.7,1057.48 ; v1(589.73,451.14) 590.05,451.14 604.96,436.22 U2.G1@605.28,436.22
  Bottom Layer w5: v1(475.91,1044.69) 457.36,1044.69 397.5,984.83 397.5,931.01 397.73,930.79 397.73,910.49 397.5,910.26 397.5,835.85 448.71,784.64 527.33,784.64 590.23,721.74 590.23,451.64 v1(589.73,451.14)
DRAM_A5: U1.K3 U2.G2 | length 757.1
  Top Layer w5: v1(475.91,1019.09) U1.K3@488.7,1031.88 ; U2.G2@605.28,467.72 619.66,482.09 619.66,527.73 609.73,537.66 v1(609.73,541.14)
  Bottom Layer w5: v1(475.91,1019.09) 444.49,1019.09 406.5,981.1 406.5,934.74 406.73,934.51 406.73,906.76 406.5,906.53 406.5,839.58 452.44,793.64 531.06,793.64 609.73,714.97 v1(609.73,541.14)
DRAM_A6: U1.P6 U2.G3 | length 906.7
  Top Layer w5: v1(329.23,500.64) 371.31,500.64 432.17,561.5 556.29,561.5 603.22,514.56 603.22,501.27 U2.G3@605.28,499.21 ; U1.P6@565.48,929.52 v1(578.28,916.73)
  PWR w5: v1(329.23,500.64) 329.23,584.23 353.64,608.64 380.15,608.64 391.23,619.72 391.23,738.06 482.23,829.06 482.23,853.06 494.31,865.14 504.76,865.14 546.26,906.64 565.03,906.64 575.13,916.73 v1(578.28,916.73)
DRAM_A7: U1.N6 U2.H1 | length 646.6
  Top Layer w5: v1(552.68,942.32) U1.N6@565.47,955.11 ; U2.H1@636.77,436.45 v1@651.22,450.9
  Bottom Layer w5: v1(552.68,942.32) 485.23,874.87 485.23,843.22 507.81,820.64 542.24,820.64 650.25,712.63 650.25,452.1 v1(651.22,451.14)
DRAM_A8: U1.R7 U2.H2 | length 496.7
  Top Layer w5: U1.R7@591.06,903.93 591.06,822.65 640.85,772.87 646.92,772.87 682.64,737.14 682.64,619.25 653.89,590.5 653.89,484.84 U2.H2@636.77,467.72
DRAM_A9: U1.P7 U2.J3 | length 502.3
  Top Layer w5: U1.P7@591.07,929.52 605.23,915.36 605.23,821.21 644.58,781.87 650.65,781.87 699.73,732.79 v1(699.73,730.79) ; U2.J3@668.27,499.21 668.27,520.68 v1(692.23,544.64)
  Bottom Layer w5: v1(692.23,544.64) 699.73,552.14 699.73,554.72 706.73,561.72 706.73,574.56 699.73,581.56 699.73,584.22 705.23,589.72 705.23,602.56 699.73,608.06 v1(699.73,730.79)
DRAM_A10: U1.N7 U2.G7 | length 422.5
  Top Layer w5: v1(500.73,849.64) 500.73,831.04 619.66,712.11 619.66,639.57 U2.G7@605.28,625.2 ; v1(578.28,942.32) U1.N7@591.06,955.11
  Bottom Layer w5: v1(500.73,849.64) 500.73,853.06 537.18,889.51 537.18,901.22 v1(578.28,942.32)
DRAM_A11: U1.M7 U2.H9 | length 502.5
  Top Layer w5: v1(466.73,845.64) 486.23,865.14 507.15,865.14 518.73,853.56 518.73,829.72 636.77,711.68 U2.H9@636.77,688.19 ; v1(574.73,999.09) 574.73,998.06 591.07,981.72 U1.M7@591.06,980.7
  Bottom Layer w5: v1(466.73,845.64) 466.73,885.63 542.59,961.49 542.59,966.95 v1(574.73,999.09)
DRAM_BA0: U1.K14 U2.J7 | length 1110.6
  Top Layer w5: v1(374.73,536.14) 418.36,579.77 624.39,579.77 668.27,623.64 U2.J7@668.27,625.2 ; U1.K14@770.2,1031.88 v1(783,1019.09)
  PWR w5: v1(374.73,536.14) 452.09,613.5 533.95,613.5 656,735.54 656,762.83 693.31,800.14 739.5,800.14 824.09,884.72 824.09,978 v1(783,1019.09)
DRAM_BA1: U1.K13 U2.H8 | length 1118.9
  Top Layer w5: v1(374.73,566.14) 401.41,592.82 624.72,592.82 651.14,619.25 651.14,642.32 U2.H8@636.77,656.69 ; U1.K13@744.61,1031.88 v1(757.41,1019.09)
  PWR w5: v1(374.73,566.14) 389.14,566.14 445.5,622.5 530.23,622.5 625,717.27 625,763.79 638.35,777.14 649.88,777.14 668.04,795.3 668.04,823.04 683,838 703.79,838 732.65,809.14 767.5,843.99 767.5,904.9 772.91,910.31 772.91,1003.59 v1(757.41,1019.09)
DRAM_CAS: U1.B7 U2.K7 | length 928.3
  Top Layer w5: U1.B7@591.07,1236.61 603.88,1223.81 v1(629.45,1223.81) ; U2.K7@699.76,625.2 699.76,608.03 707.89,599.9 707.89,586.98 v1(745.23,549.64)
  Bottom Layer w5: v1(629.45,1223.81) 629.45,1220.29 624.23,1215.07 624.23,846.27 659.25,811.25 659.25,555.69 685.81,529.14 721.31,529.14 741.81,549.64 v1(745.23,549.64)
DRAM_CLK: U1.H14 U2.J1 | length 982.5
  Top Layer w5: U2.J1@668.27,436.22 668.27,434.65 700.28,402.64 782.73,402.64 v1(826.23,359.14) ; U1.H14@770.2,1083.07 v1(783,1070.28)
  Bottom Layer w5: v1(783,1070.28) 784.85,1072.14 821.65,1072.14 830.73,1063.06 830.73,980.73 824.5,974.5 824.5,864.54 842.23,846.82 842.23,694.56 825.23,677.56 825.23,360.14 v1(826.23,359.14)
DRAM_CLKE: U1.P5 U2.J2 | length 1269.1
  Top Layer w5: v1(422,846) 436.59,846 464.73,874.14 500.65,874.14 525.71,899.2 525.71,915.35 U1.P5@539.88,929.52 ; U2.J2@668.27,467.72 685.39,450.61 685.39,430.27 704.01,411.64 800.23,411.64 v1(852.73,359.14)
  Bottom Layer w5: v1(422,846) 427,846 470.36,802.64 534.79,802.64 625.23,712.2 625.23,354.72 649.81,330.14 823.73,330.14 v1(852.73,359.14)
DRAM_CS: R8.2 U1.N5 U2.J8 | length 422.4
  Top Layer w5: v1(527.09,967.91) U1.N5@539.88,955.11 ; v1(534.23,836.14) 536.72,833.65 547.72,833.65 565.23,816.14 R8.2@565.23,815.14 572.73,807.64 572.73,788.45 651.14,710.03 651.14,673.82 U2.J8@668.27,656.69
  GND w5: v1(527.09,967.91) 527.09,964.75 537.18,954.66 537.18,929.45 568.18,898.45 568.18,870.09 v1(534.23,836.14)
DRAM_D0: U1.M14 U2.R8 | length 753.6
  Top Layer w5: U1.M14@770.2,980.7 784.37,966.53 806.02,966.53 860.09,912.47 860.09,800.87 966.23,694.73 v1(966.23,662.14) ; U2.R8@857.24,656.69 858.21,656.69 873.76,641.14 v1(874.73,641.14)
  Bottom Layer w5: v1@874.75,641.16 888.66,641.16 901.23,653.73 901.23,677.14 cw(c906.23,677.14) 906.23,682.14 cw(c906.23,677.14) 911.23,677.14 911.23,647.14 ccw(c916.23,647.14) 916.23,642.14 ccw(c916.23,647.14) 921.23,647.14 921.23,677.14 cw(c926.23,677.14) 926.23,682.14 cw(c926.23,677.14) 931.23,677.14 931.23,647.14 ccw(c936.23,647.14) 936.23,642.14 ccw(c936.23,647.14) 941.23,647.14 941.23,677.14 cw(c946.23,677.14) 946.23,682.14 cw(c946.23,677.14) 951.23,677.14 951.23,647.14 ccw(c956.23,647.14) 956.23,642.14 ccw(c956.23,647.14) 961.23,647.14 961.23,657.14 cw(c966.23,657.14) v1(966.23,662.14)
DRAM_D1: U1.L14 U2.N7 | length 756.2
  Top Layer w5: U1.L14@770.2,1006.29 784.37,992.12 805.89,992.12 879,919.01 879,807.41 999.23,687.18 999.23,621.14 v1(983.73,605.64) ; U2.N7@792.19,623.14 U2.N7@794.25,625.2 830.32,589.13 840.24,589.13 v1(842.73,586.64)
  Bottom Layer w5: v1(842.73,586.64) 844.09,588 936.59,588 cw(c936.59,583.5) 941.09,583.5 941.09,572.5 ccw(c945.59,572.5) 945.59,568 946.59,568 ccw(c946.59,572.5) 951.09,572.5 951.09,573 v1(983.73,605.64)
DRAM_D2: U1.B12 U2.R9 | length 754.1
  Top Layer w4: U1.B12@719.02,1236.61 733,1250.59 v1(733,1279.5) ; U2.R9@857.24,688.19 v1@876.73,668.67
  Bottom Layer w5: v1(733,1279.5) 736.38,1279.5 786,1229.88 786,1133.24 849,1070.24 849,971 842.5,964.5 842.5,872 860.23,854.27 860.23,685.14 v1(876.73,668.64)
DRAM_D3: U1.C12 U2.N8 | length 748.5
  Top Layer w5: v1(706.22,1223.82) U1.C12@719.02,1211.02 ; U2.N8@794.25,656.69 809.2,671.64 v1(841.23,671.64)
  Bottom Layer w5: v1(706.22,1223.82) 721.72,1239.32 763.84,1239.32 776.5,1226.65 776.5,1130.01 839.73,1066.79 839.73,974.46 833.5,968.23 833.5,868.27 851.23,850.54 851.23,684.97 841.23,674.97 v1(841.23,671.64)